# Altium PCB Tag201_GangProgrammerRev2.PcbDoc (part 2 of 7)
Units mil, origin at the board's own origin, x right, y up, seen from the top; angles counter-clockwise.
Board outline 10400 x 10885 mil, 4 copper layers (Top Layer, VCC, GND, Bottom Layer), stack 67.2 mil thick; 831 components, 394 nets, 2486 pads, 638 vias.
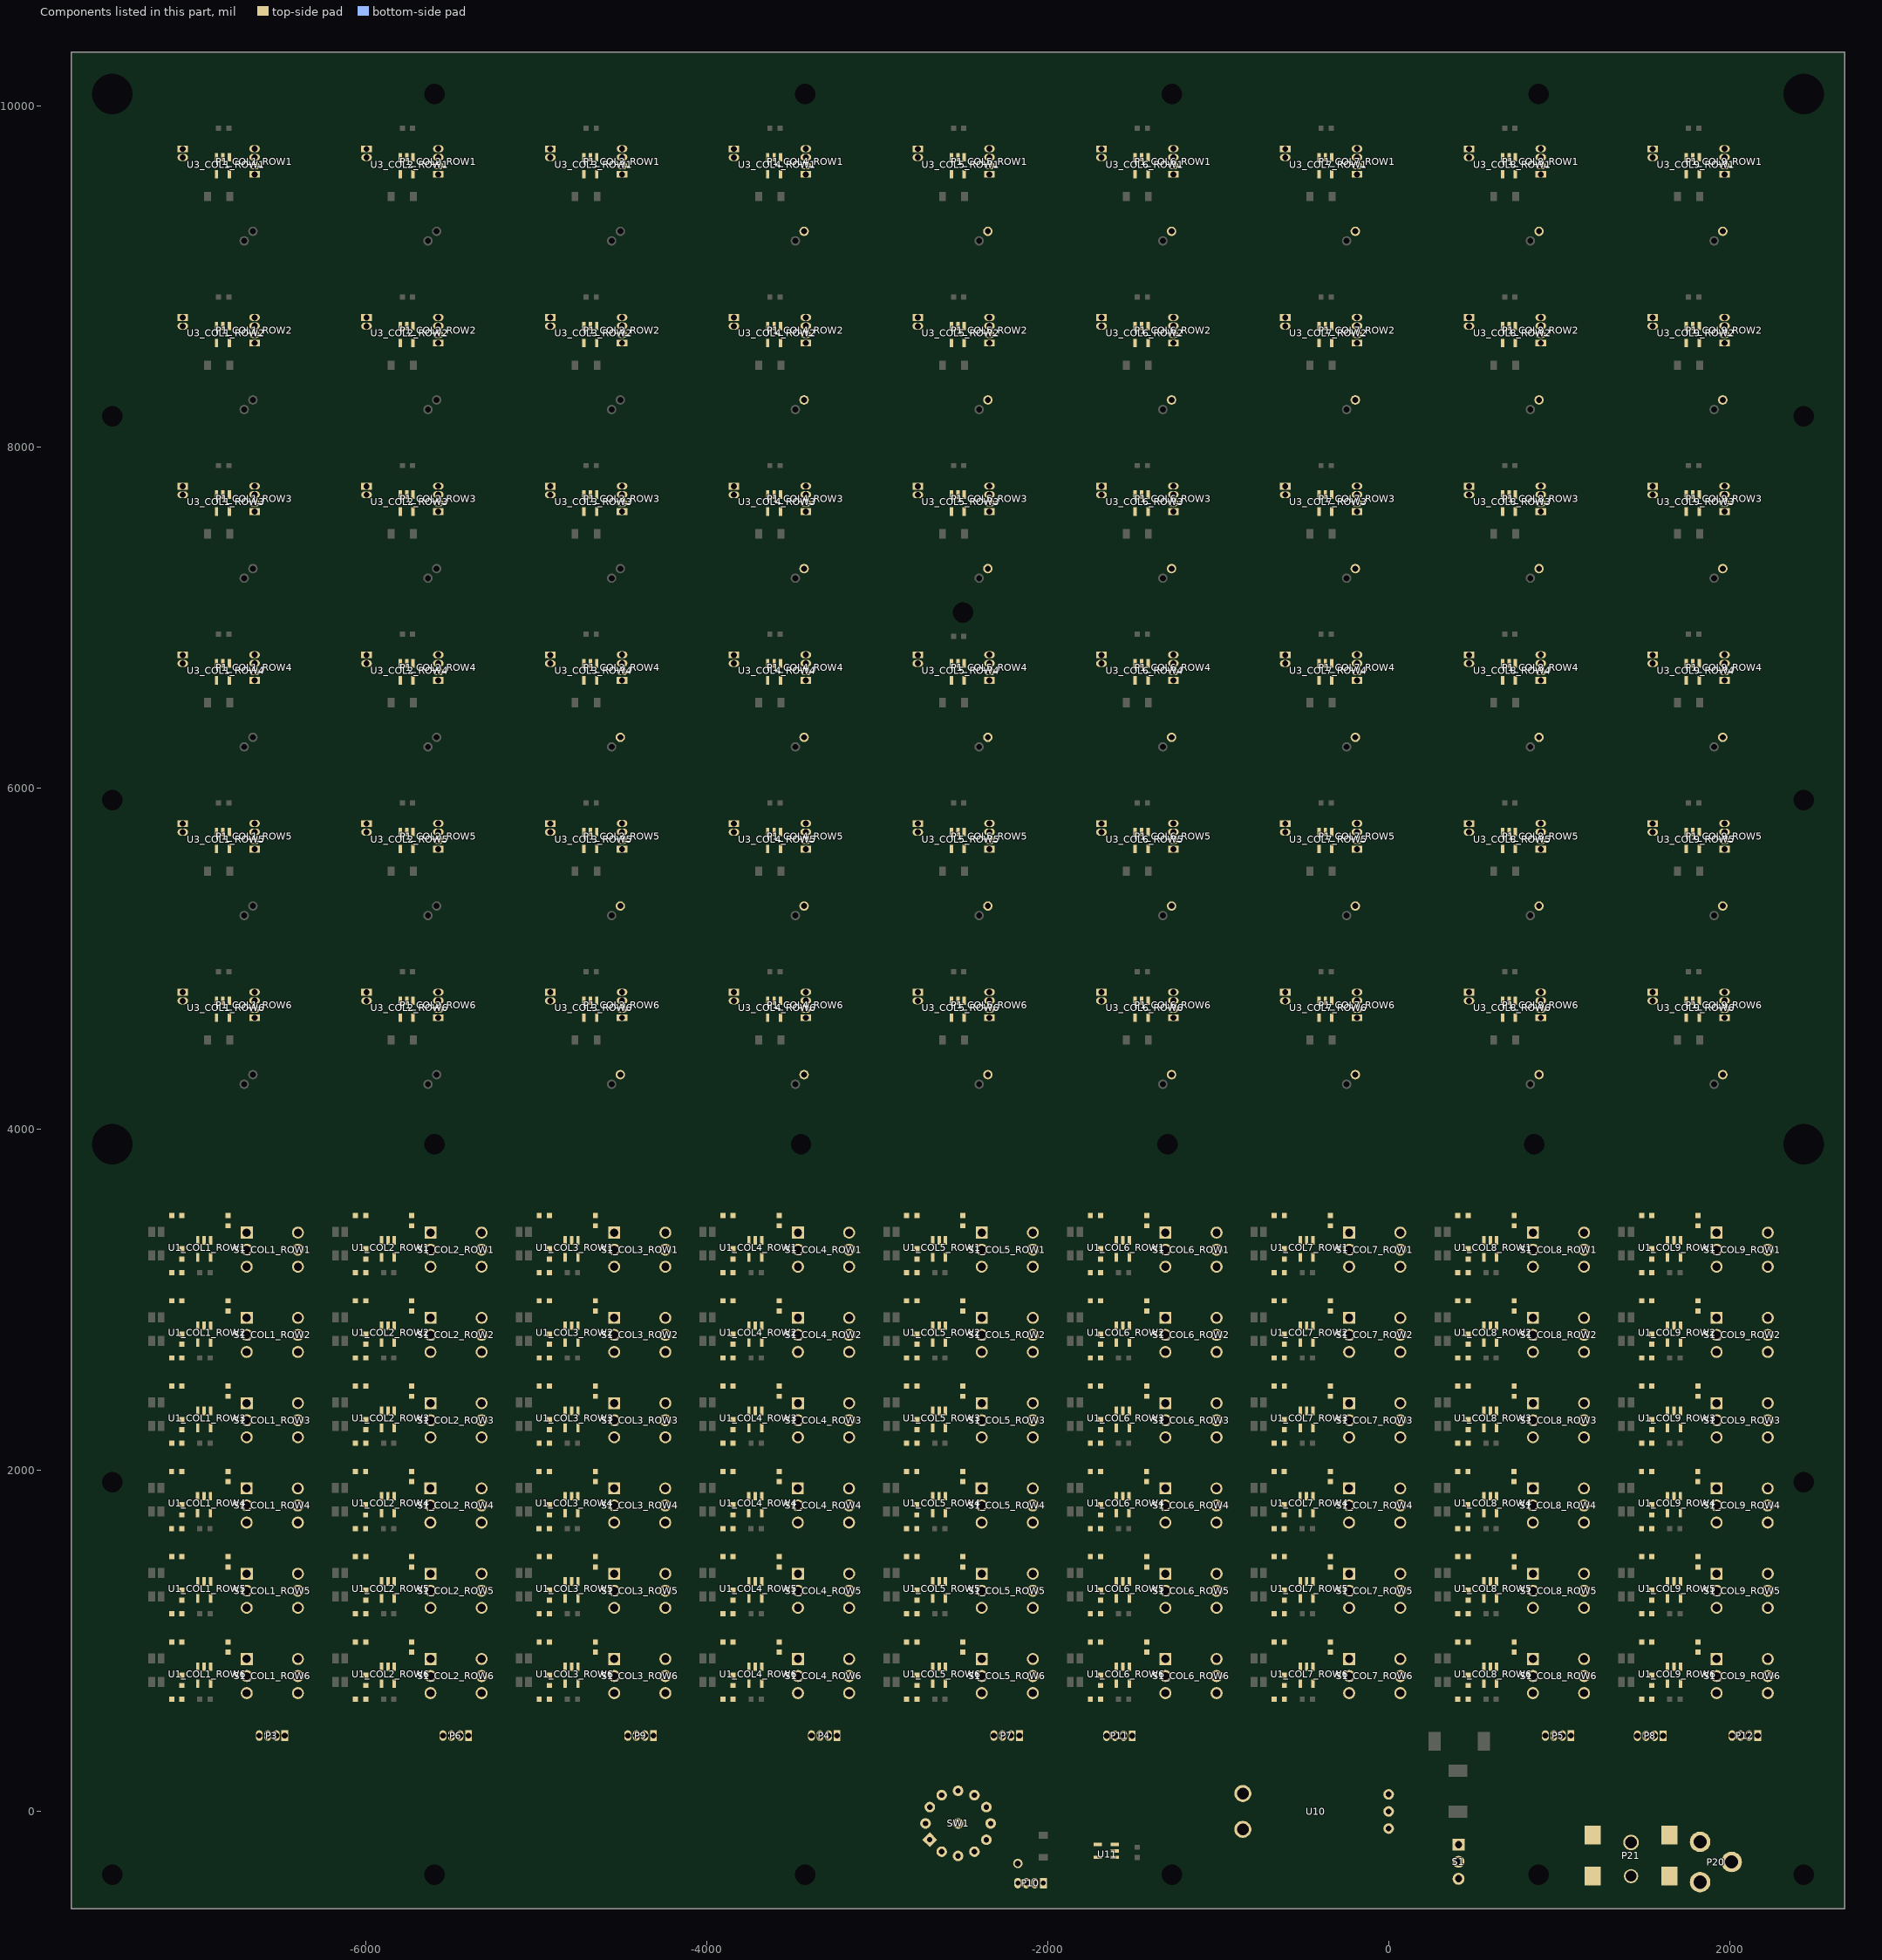
[diagram p4: the components of this part, seen from the top]

## Components (designator, comment, footprint, x,y, rotation, side; value= is the part's Value field where it differs from the comment) (continued)
J2_COL3_ROW4 "POGOPIN" TestPoint52x32 -4505.5,6298 r90 top (schematic designator J2)
J2_COL3_ROW5 "POGOPIN" TestPoint52x32 -4505.5,5309 r90 top (schematic designator J2)
J2_COL3_ROW6 "POGOPIN" TestPoint52x32 -4505.5,4320 r90 top (schematic designator J2)
J2_COL4_ROW1 "POGOPIN" TestPoint52x32 -3428,9265 r90 top (schematic designator J2)
J2_COL4_ROW2 "POGOPIN" TestPoint52x32 -3428,8276 r90 top (schematic designator J2)
J2_COL4_ROW3 "POGOPIN" TestPoint52x32 -3428,7287 r90 top (schematic designator J2)
J2_COL4_ROW4 "POGOPIN" TestPoint52x32 -3428,6298 r90 top (schematic designator J2)
J2_COL4_ROW5 "POGOPIN" TestPoint52x32 -3428,5309 r90 top (schematic designator J2)
J2_COL4_ROW6 "POGOPIN" TestPoint52x32 -3428,4320 r90 top (schematic designator J2)
J2_COL5_ROW1 "POGOPIN" TestPoint52x32 -2350.5,9265 r90 top (schematic designator J2)
J2_COL5_ROW2 "POGOPIN" TestPoint52x32 -2350.5,8276 r90 top (schematic designator J2)
J2_COL5_ROW3 "POGOPIN" TestPoint52x32 -2350.5,7287 r90 top (schematic designator J2)
J2_COL5_ROW4 "POGOPIN" TestPoint52x32 -2350.5,6298 r90 top (schematic designator J2)
J2_COL5_ROW5 "POGOPIN" TestPoint52x32 -2350.5,5309 r90 top (schematic designator J2)
J2_COL5_ROW6 "POGOPIN" TestPoint52x32 -2350.5,4320 r90 top (schematic designator J2)
J2_COL6_ROW1 "POGOPIN" TestPoint52x32 -1273,9265 r90 top (schematic designator J2)
J2_COL6_ROW2 "POGOPIN" TestPoint52x32 -1273,8276 r90 top (schematic designator J2)
J2_COL6_ROW3 "POGOPIN" TestPoint52x32 -1273,7287 r90 top (schematic designator J2)
J2_COL6_ROW4 "POGOPIN" TestPoint52x32 -1273,6298 r90 top (schematic designator J2)
J2_COL6_ROW5 "POGOPIN" TestPoint52x32 -1273,5309 r90 top (schematic designator J2)
J2_COL6_ROW6 "POGOPIN" TestPoint52x32 -1273,4320 r90 top (schematic designator J2)
J2_COL7_ROW1 "POGOPIN" TestPoint52x32 -195.5,9265 r90 top (schematic designator J2)
J2_COL7_ROW2 "POGOPIN" TestPoint52x32 -195.5,8276 r90 top (schematic designator J2)
J2_COL7_ROW3 "POGOPIN" TestPoint52x32 -195.5,7287 r90 top (schematic designator J2)
J2_COL7_ROW4 "POGOPIN" TestPoint52x32 -195.5,6298 r90 top (schematic designator J2)
J2_COL7_ROW5 "POGOPIN" TestPoint52x32 -195.5,5309 r90 top (schematic designator J2)
J2_COL7_ROW6 "POGOPIN" TestPoint52x32 -195.5,4320 r90 top (schematic designator J2)
J2_COL8_ROW1 "POGOPIN" TestPoint52x32 882,9265 r90 top (schematic designator J2)
J2_COL8_ROW2 "POGOPIN" TestPoint52x32 882,8276 r90 top (schematic designator J2)
J2_COL8_ROW3 "POGOPIN" TestPoint52x32 882,7287 r90 top (schematic designator J2)
J2_COL8_ROW4 "POGOPIN" TestPoint52x32 882,6298 r90 top (schematic designator J2)
J2_COL8_ROW5 "POGOPIN" TestPoint52x32 882,5309 r90 top (schematic designator J2)
J2_COL8_ROW6 "POGOPIN" TestPoint52x32 882,4320 r90 top (schematic designator J2)
J2_COL9_ROW1 "POGOPIN" TestPoint52x32 1959.5,9265 r90 top (schematic designator J2)
J2_COL9_ROW2 "POGOPIN" TestPoint52x32 1959.5,8276 r90 top (schematic designator J2)
J2_COL9_ROW3 "POGOPIN" TestPoint52x32 1959.5,7287 r90 top (schematic designator J2)
J2_COL9_ROW4 "POGOPIN" TestPoint52x32 1959.5,6298 r90 top (schematic designator J2)
J2_COL9_ROW5 "POGOPIN" TestPoint52x32 1959.5,5309 r90 top (schematic designator J2)
J2_COL9_ROW6 "POGOPIN" TestPoint52x32 1959.5,4320 r90 top (schematic designator J2)
P1_COL1_ROW1 "1x4 50mil" "1X4 HEADER_50mil_071411"#1 -6650.5,9599 r90 top (schematic designator P1)
P1_COL1_ROW2 "1x4 50mil" "1X4 HEADER_50mil_071411"#1 -6650.5,8610 r90 top (schematic designator P1)
P1_COL1_ROW3 "1x4 50mil" "1X4 HEADER_50mil_071411"#1 -6650.5,7621 r90 top (schematic designator P1)
P1_COL1_ROW4 "1x4 50mil" "1X4 HEADER_50mil_071411"#1 -6650.5,6632 r90 top (schematic designator P1)
P1_COL1_ROW5 "1x4 50mil" "1X4 HEADER_50mil_071411"#1 -6650.5,5643 r90 top (schematic designator P1)
P1_COL1_ROW6 "1x4 50mil" "1X4 HEADER_50mil_071411"#1 -6650.5,4654 r90 top (schematic designator P1)
P1_COL2_ROW1 "1x4 50mil" "1X4 HEADER_50mil_071411"#1 -5573,9599 r90 top (schematic designator P1)
P1_COL2_ROW2 "1x4 50mil" "1X4 HEADER_50mil_071411"#1 -5573,8610 r90 top (schematic designator P1)
P1_COL2_ROW3 "1x4 50mil" "1X4 HEADER_50mil_071411"#1 -5573,7621 r90 top (schematic designator P1)
P1_COL2_ROW4 "1x4 50mil" "1X4 HEADER_50mil_071411"#1 -5573,6632 r90 top (schematic designator P1)
P1_COL2_ROW5 "1x4 50mil" "1X4 HEADER_50mil_071411"#1 -5573,5643 r90 top (schematic designator P1)
P1_COL2_ROW6 "1x4 50mil" "1X4 HEADER_50mil_071411"#1 -5573,4654 r90 top (schematic designator P1)
P1_COL3_ROW1 "1x4 50mil" "1X4 HEADER_50mil_071411"#1 -4495.5,9599 r90 top (schematic designator P1)
P1_COL3_ROW2 "1x4 50mil" "1X4 HEADER_50mil_071411"#1 -4495.5,8610 r90 top (schematic designator P1)
P1_COL3_ROW3 "1x4 50mil" "1X4 HEADER_50mil_071411"#1 -4495.5,7621 r90 top (schematic designator P1)
P1_COL3_ROW4 "1x4 50mil" "1X4 HEADER_50mil_071411"#1 -4495.5,6632 r90 top (schematic designator P1)
P1_COL3_ROW5 "1x4 50mil" "1X4 HEADER_50mil_071411"#1 -4495.5,5643 r90 top (schematic designator P1)
P1_COL3_ROW6 "1x4 50mil" "1X4 HEADER_50mil_071411"#1 -4495.5,4654 r90 top (schematic designator P1)
P1_COL4_ROW1 "1x4 50mil" "1X4 HEADER_50mil_071411"#1 -3418,9599 r90 top (schematic designator P1)
P1_COL4_ROW2 "1x4 50mil" "1X4 HEADER_50mil_071411"#1 -3418,8610 r90 top (schematic designator P1)
P1_COL4_ROW3 "1x4 50mil" "1X4 HEADER_50mil_071411"#1 -3418,7621 r90 top (schematic designator P1)
P1_COL4_ROW4 "1x4 50mil" "1X4 HEADER_50mil_071411"#1 -3418,6632 r90 top (schematic designator P1)
P1_COL4_ROW5 "1x4 50mil" "1X4 HEADER_50mil_071411"#1 -3418,5643 r90 top (schematic designator P1)
P1_COL4_ROW6 "1x4 50mil" "1X4 HEADER_50mil_071411"#1 -3418,4654 r90 top (schematic designator P1)
P1_COL5_ROW1 "1x4 50mil" "1X4 HEADER_50mil_071411"#1 -2340.5,9599 r90 top (schematic designator P1)
P1_COL5_ROW2 "1x4 50mil" "1X4 HEADER_50mil_071411"#1 -2340.5,8610 r90 top (schematic designator P1)
P1_COL5_ROW3 "1x4 50mil" "1X4 HEADER_50mil_071411"#1 -2340.5,7621 r90 top (schematic designator P1)
P1_COL5_ROW4 "1x4 50mil" "1X4 HEADER_50mil_071411"#1 -2340.5,6632 r90 top (schematic designator P1)
P1_COL5_ROW5 "1x4 50mil" "1X4 HEADER_50mil_071411"#1 -2340.5,5643 r90 top (schematic designator P1)
P1_COL5_ROW6 "1x4 50mil" "1X4 HEADER_50mil_071411"#1 -2340.5,4654 r90 top (schematic designator P1)
P1_COL6_ROW1 "1x4 50mil" "1X4 HEADER_50mil_071411"#1 -1263,9599 r90 top (schematic designator P1)
P1_COL6_ROW2 "1x4 50mil" "1X4 HEADER_50mil_071411"#1 -1263,8610 r90 top (schematic designator P1)
P1_COL6_ROW3 "1x4 50mil" "1X4 HEADER_50mil_071411"#1 -1263,7621 r90 top (schematic designator P1)
P1_COL6_ROW4 "1x4 50mil" "1X4 HEADER_50mil_071411"#1 -1263,6632 r90 top (schematic designator P1)
P1_COL6_ROW5 "1x4 50mil" "1X4 HEADER_50mil_071411"#1 -1263,5643 r90 top (schematic designator P1)
P1_COL6_ROW6 "1x4 50mil" "1X4 HEADER_50mil_071411"#1 -1263,4654 r90 top (schematic designator P1)
P1_COL7_ROW1 "1x4 50mil" "1X4 HEADER_50mil_071411"#1 -185.5,9599 r90 top (schematic designator P1)
P1_COL7_ROW2 "1x4 50mil" "1X4 HEADER_50mil_071411"#1 -185.5,8610 r90 top (schematic designator P1)
P1_COL7_ROW3 "1x4 50mil" "1X4 HEADER_50mil_071411"#1 -185.5,7621 r90 top (schematic designator P1)
P1_COL7_ROW4 "1x4 50mil" "1X4 HEADER_50mil_071411"#1 -185.5,6632 r90 top (schematic designator P1)
P1_COL7_ROW5 "1x4 50mil" "1X4 HEADER_50mil_071411"#1 -185.5,5643 r90 top (schematic designator P1)
P1_COL7_ROW6 "1x4 50mil" "1X4 HEADER_50mil_071411"#1 -185.5,4654 r90 top (schematic designator P1)
P1_COL8_ROW1 "1x4 50mil" "1X4 HEADER_50mil_071411"#1 892,9599 r90 top (schematic designator P1)
P1_COL8_ROW2 "1x4 50mil" "1X4 HEADER_50mil_071411"#1 892,8610 r90 top (schematic designator P1)
P1_COL8_ROW3 "1x4 50mil" "1X4 HEADER_50mil_071411"#1 892,7621 r90 top (schematic designator P1)
P1_COL8_ROW4 "1x4 50mil" "1X4 HEADER_50mil_071411"#1 892,6632 r90 top (schematic designator P1)
P1_COL8_ROW5 "1x4 50mil" "1X4 HEADER_50mil_071411"#1 892,5643 r90 top (schematic designator P1)
P1_COL8_ROW6 "1x4 50mil" "1X4 HEADER_50mil_071411"#1 892,4654 r90 top (schematic designator P1)
P1_COL9_ROW1 "1x4 50mil" "1X4 HEADER_50mil_071411"#1 1969.5,9599 r90 top (schematic designator P1)
P1_COL9_ROW2 "1x4 50mil" "1X4 HEADER_50mil_071411"#1 1969.5,8610 r90 top (schematic designator P1)
P1_COL9_ROW3 "1x4 50mil" "1X4 HEADER_50mil_071411"#1 1969.5,7621 r90 top (schematic designator P1)
P1_COL9_ROW4 "1x4 50mil" "1X4 HEADER_50mil_071411"#1 1969.5,6632 r90 top (schematic designator P1)
P1_COL9_ROW5 "1x4 50mil" "1X4 HEADER_50mil_071411"#1 1969.5,5643 r90 top (schematic designator P1)
P1_COL9_ROW6 "1x4 50mil" "1X4 HEADER_50mil_071411"#1 1969.5,4654 r90 top (schematic designator P1)
P2_COL1_ROW1 "1x2 50mil" "1X2 HEADER_50MIL_081611" -7071.5,9748 r270 top (schematic designator P2)
P2_COL1_ROW2 "1x2 50mil" "1X2 HEADER_50MIL_081611" -7071.5,8759 r270 top (schematic designator P2)
P2_COL1_ROW3 "1x2 50mil" "1X2 HEADER_50MIL_081611" -7071.5,7770 r270 top (schematic designator P2)
P2_COL1_ROW4 "1x2 50mil" "1X2 HEADER_50MIL_081611" -7071.5,6781 r270 top (schematic designator P2)
P2_COL1_ROW5 "1x2 50mil" "1X2 HEADER_50MIL_081611" -7071.5,5792 r270 top (schematic designator P2)
P2_COL1_ROW6 "1x2 50mil" "1X2 HEADER_50MIL_081611" -7071.5,4803 r270 top (schematic designator P2)
P2_COL2_ROW1 "1x2 50mil" "1X2 HEADER_50MIL_081611" -5994,9748 r270 top (schematic designator P2)
P2_COL2_ROW2 "1x2 50mil" "1X2 HEADER_50MIL_081611" -5994,8759 r270 top (schematic designator P2)
P2_COL2_ROW3 "1x2 50mil" "1X2 HEADER_50MIL_081611" -5994,7770 r270 top (schematic designator P2)
P2_COL2_ROW4 "1x2 50mil" "1X2 HEADER_50MIL_081611" -5994,6781 r270 top (schematic designator P2)
P2_COL2_ROW5 "1x2 50mil" "1X2 HEADER_50MIL_081611" -5994,5792 r270 top (schematic designator P2)
P2_COL2_ROW6 "1x2 50mil" "1X2 HEADER_50MIL_081611" -5994,4803 r270 top (schematic designator P2)
P2_COL3_ROW1 "1x2 50mil" "1X2 HEADER_50MIL_081611" -4916.5,9748 r270 top (schematic designator P2)
P2_COL3_ROW2 "1x2 50mil" "1X2 HEADER_50MIL_081611" -4916.5,8759 r270 top (schematic designator P2)
P2_COL3_ROW3 "1x2 50mil" "1X2 HEADER_50MIL_081611" -4916.5,7770 r270 top (schematic designator P2)
P2_COL3_ROW4 "1x2 50mil" "1X2 HEADER_50MIL_081611" -4916.5,6781 r270 top (schematic designator P2)
P2_COL3_ROW5 "1x2 50mil" "1X2 HEADER_50MIL_081611" -4916.5,5792 r270 top (schematic designator P2)
P2_COL3_ROW6 "1x2 50mil" "1X2 HEADER_50MIL_081611" -4916.5,4803 r270 top (schematic designator P2)
P2_COL4_ROW1 "1x2 50mil" "1X2 HEADER_50MIL_081611" -3839,9748 r270 top (schematic designator P2)
P2_COL4_ROW2 "1x2 50mil" "1X2 HEADER_50MIL_081611" -3839,8759 r270 top (schematic designator P2)
P2_COL4_ROW3 "1x2 50mil" "1X2 HEADER_50MIL_081611" -3839,7770 r270 top (schematic designator P2)
P2_COL4_ROW4 "1x2 50mil" "1X2 HEADER_50MIL_081611" -3839,6781 r270 top (schematic designator P2)
P2_COL4_ROW5 "1x2 50mil" "1X2 HEADER_50MIL_081611" -3839,5792 r270 top (schematic designator P2)
P2_COL4_ROW6 "1x2 50mil" "1X2 HEADER_50MIL_081611" -3839,4803 r270 top (schematic designator P2)
P2_COL5_ROW1 "1x2 50mil" "1X2 HEADER_50MIL_081611" -2761.5,9748 r270 top (schematic designator P2)
P2_COL5_ROW2 "1x2 50mil" "1X2 HEADER_50MIL_081611" -2761.5,8759 r270 top (schematic designator P2)
P2_COL5_ROW3 "1x2 50mil" "1X2 HEADER_50MIL_081611" -2761.5,7770 r270 top (schematic designator P2)
P2_COL5_ROW4 "1x2 50mil" "1X2 HEADER_50MIL_081611" -2761.5,6781 r270 top (schematic designator P2)
P2_COL5_ROW5 "1x2 50mil" "1X2 HEADER_50MIL_081611" -2761.5,5792 r270 top (schematic designator P2)
P2_COL5_ROW6 "1x2 50mil" "1X2 HEADER_50MIL_081611" -2761.5,4803 r270 top (schematic designator P2)
P2_COL6_ROW1 "1x2 50mil" "1X2 HEADER_50MIL_081611" -1684,9748 r270 top (schematic designator P2)
P2_COL6_ROW2 "1x2 50mil" "1X2 HEADER_50MIL_081611" -1684,8759 r270 top (schematic designator P2)
P2_COL6_ROW3 "1x2 50mil" "1X2 HEADER_50MIL_081611" -1684,7770 r270 top (schematic designator P2)
P2_COL6_ROW4 "1x2 50mil" "1X2 HEADER_50MIL_081611" -1684,6781 r270 top (schematic designator P2)
P2_COL6_ROW5 "1x2 50mil" "1X2 HEADER_50MIL_081611" -1684,5792 r270 top (schematic designator P2)
P2_COL6_ROW6 "1x2 50mil" "1X2 HEADER_50MIL_081611" -1684,4803 r270 top (schematic designator P2)
P2_COL7_ROW1 "1x2 50mil" "1X2 HEADER_50MIL_081611" -606.5,9748 r270 top (schematic designator P2)
P2_COL7_ROW2 "1x2 50mil" "1X2 HEADER_50MIL_081611" -606.5,8759 r270 top (schematic designator P2)
P2_COL7_ROW3 "1x2 50mil" "1X2 HEADER_50MIL_081611" -606.5,7770 r270 top (schematic designator P2)
P2_COL7_ROW4 "1x2 50mil" "1X2 HEADER_50MIL_081611" -606.5,6781 r270 top (schematic designator P2)
P2_COL7_ROW5 "1x2 50mil" "1X2 HEADER_50MIL_081611" -606.5,5792 r270 top (schematic designator P2)
P2_COL7_ROW6 "1x2 50mil" "1X2 HEADER_50MIL_081611" -606.5,4803 r270 top (schematic designator P2)
P2_COL8_ROW1 "1x2 50mil" "1X2 HEADER_50MIL_081611" 471,9748 r270 top (schematic designator P2)
P2_COL8_ROW2 "1x2 50mil" "1X2 HEADER_50MIL_081611" 471,8759 r270 top (schematic designator P2)
P2_COL8_ROW3 "1x2 50mil" "1X2 HEADER_50MIL_081611" 471,7770 r270 top (schematic designator P2)
P2_COL8_ROW4 "1x2 50mil" "1X2 HEADER_50MIL_081611" 471,6781 r270 top (schematic designator P2)
P2_COL8_ROW5 "1x2 50mil" "1X2 HEADER_50MIL_081611" 471,5792 r270 top (schematic designator P2)
P2_COL8_ROW6 "1x2 50mil" "1X2 HEADER_50MIL_081611" 471,4803 r270 top (schematic designator P2)
P2_COL9_ROW1 "1x2 50mil" "1X2 HEADER_50MIL_081611" 1548.5,9748 r270 top (schematic designator P2)
P2_COL9_ROW2 "1x2 50mil" "1X2 HEADER_50MIL_081611" 1548.5,8759 r270 top (schematic designator P2)
P2_COL9_ROW3 "1x2 50mil" "1X2 HEADER_50MIL_081611" 1548.5,7770 r270 top (schematic designator P2)
P2_COL9_ROW4 "1x2 50mil" "1X2 HEADER_50MIL_081611" 1548.5,6781 r270 top (schematic designator P2)
P2_COL9_ROW5 "1x2 50mil" "1X2 HEADER_50MIL_081611" 1548.5,5792 r270 top (schematic designator P2)
P2_COL9_ROW6 "1x2 50mil" "1X2 HEADER_50MIL_081611" 1548.5,4803 r270 top (schematic designator P2)
P3 "1x4 50mil" "1X4 HEADER_50mil_071411"#1 -6473,445 r180 top
P4 "1x4 50mil" "1X4 HEADER_50mil_071411"#1 -3235,445 r180 top
P5 "1x4 50mil" "1X4 HEADER_50mil_071411"#1 1069,445 r180 top
P6 "1x4 50mil" "1X4 HEADER_50mil_071411"#1 -5396,445 r180 top
P7 "1x4 50mil" "1X4 HEADER_50mil_071411"#1 -2165,445 r180 top
P8 "1x4 50mil" "1X4 HEADER_50mil_071411"#1 1609,444 r180 top
P9 "1x4 50mil" "1X4 HEADER_50mil_071411"#1 -4312,445 r180 top
P10 "1x4 50mil" "1X4 HEADER_50mil_071411"#2 -2025,-420 r180 top
P11 "1x4 50mil" "1X4 HEADER_50mil_071411"#1 -1504,444 r180 top
P12 "1x4 50mil" "1X4 HEADER_50mil_071411"#1 2164,445 r180 top
P20 "CON3" "POWER JACK_SMALLHOLE_022110" 1826.5,-178 r0 top
P21 "CON3" "POWER JACK_SMT_071312" 1421.5,-379 r0 top
R1_COL1_ROW1 "130" 0603_072205 -7106.5,3494 r0 top (schematic designator R1)
R1_COL1_ROW2 "130" 0603_072205 -7106.5,2994 r0 top (schematic designator R1)
R1_COL1_ROW3 "130" 0603_072205 -7106.5,2494 r0 top (schematic designator R1)
R1_COL1_ROW4 "130" 0603_072205 -7107,1994 r0 top (schematic designator R1)
R1_COL1_ROW5 "130" 0603_072205 -7106.5,1494 r0 top (schematic designator R1)
R1_COL1_ROW6 "130" 0603_072205 -7106.5,994 r0 top (schematic designator R1)
R1_COL2_ROW1 "130" 0603_072205 -6029,3494 r0 top (schematic designator R1)
R1_COL2_ROW2 "130" 0603_072205 -6029,2994 r0 top (schematic designator R1)
R1_COL2_ROW3 "130" 0603_072205 -6029,2494 r0 top (schematic designator R1)
R1_COL2_ROW4 "130" 0603_072205 -6029.5,1994 r0 top (schematic designator R1)
R1_COL2_ROW5 "130" 0603_072205 -6029,1494 r0 top (schematic designator R1)
R1_COL2_ROW6 "130" 0603_072205 -6029,994 r0 top (schematic designator R1)
R1_COL3_ROW1 "130" 0603_072205 -4951.5,3494 r0 top (schematic designator R1)
R1_COL3_ROW2 "130" 0603_072205 -4951.5,2994 r0 top (schematic designator R1)
R1_COL3_ROW3 "130" 0603_072205 -4951.5,2494 r0 top (schematic designator R1)
R1_COL3_ROW4 "130" 0603_072205 -4952,1994 r0 top (schematic designator R1)
R1_COL3_ROW5 "130" 0603_072205 -4951.5,1494 r0 top (schematic designator R1)
R1_COL3_ROW6 "130" 0603_072205 -4951.5,994 r0 top (schematic designator R1)
R1_COL4_ROW1 "130" 0603_072205 -3874,3494 r0 top (schematic designator R1)
R1_COL4_ROW2 "130" 0603_072205 -3874,2994 r0 top (schematic designator R1)
R1_COL4_ROW3 "130" 0603_072205 -3874,2494 r0 top (schematic designator R1)
R1_COL4_ROW4 "130" 0603_072205 -3874.5,1994 r0 top (schematic designator R1)
R1_COL4_ROW5 "130" 0603_072205 -3874,1494 r0 top (schematic designator R1)
R1_COL4_ROW6 "130" 0603_072205 -3874,994 r0 top (schematic designator R1)
R1_COL5_ROW1 "130" 0603_072205 -2796.5,3494 r0 top (schematic designator R1)
R1_COL5_ROW2 "130" 0603_072205 -2796.5,2994 r0 top (schematic designator R1)
R1_COL5_ROW3 "130" 0603_072205 -2796.5,2494 r0 top (schematic designator R1)
R1_COL5_ROW4 "130" 0603_072205 -2797,1994 r0 top (schematic designator R1)
R1_COL5_ROW5 "130" 0603_072205 -2796.5,1494 r0 top (schematic designator R1)
R1_COL5_ROW6 "130" 0603_072205 -2796.5,994 r0 top (schematic designator R1)
R1_COL6_ROW1 "130" 0603_072205 -1719,3494 r0 top (schematic designator R1)
R1_COL6_ROW2 "130" 0603_072205 -1719,2994 r0 top (schematic designator R1)
R1_COL6_ROW3 "130" 0603_072205 -1719,2494 r0 top (schematic designator R1)
R1_COL6_ROW4 "130" 0603_072205 -1719.5,1994 r0 top (schematic designator R1)
R1_COL6_ROW5 "130" 0603_072205 -1719,1494 r0 top (schematic designator R1)
R1_COL6_ROW6 "130" 0603_072205 -1719,994 r0 top (schematic designator R1)
R1_COL7_ROW1 "130" 0603_072205 -641.5,3494 r0 top (schematic designator R1)
R1_COL7_ROW2 "130" 0603_072205 -641.5,2994 r0 top (schematic designator R1)
R1_COL7_ROW3 "130" 0603_072205 -641.5,2494 r0 top (schematic designator R1)
R1_COL7_ROW4 "130" 0603_072205 -642,1994 r0 top (schematic designator R1)
R1_COL7_ROW5 "130" 0603_072205 -641.5,1494 r0 top (schematic designator R1)
R1_COL7_ROW6 "130" 0603_072205 -641.5,994 r0 top (schematic designator R1)
R1_COL8_ROW1 "130" 0603_072205 436,3494 r0 top (schematic designator R1)
R1_COL8_ROW2 "130" 0603_072205 436,2994 r0 top (schematic designator R1)
R1_COL8_ROW3 "130" 0603_072205 436,2494 r0 top (schematic designator R1)
R1_COL8_ROW4 "130" 0603_072205 435.5,1994 r0 top (schematic designator R1)
R1_COL8_ROW5 "130" 0603_072205 436,1494 r0 top (schematic designator R1)
R1_COL8_ROW6 "130" 0603_072205 436,994 r0 top (schematic designator R1)